# Altium PCB SFYTH_PCB2.PcbDoc (part 2 of 3) (continued)
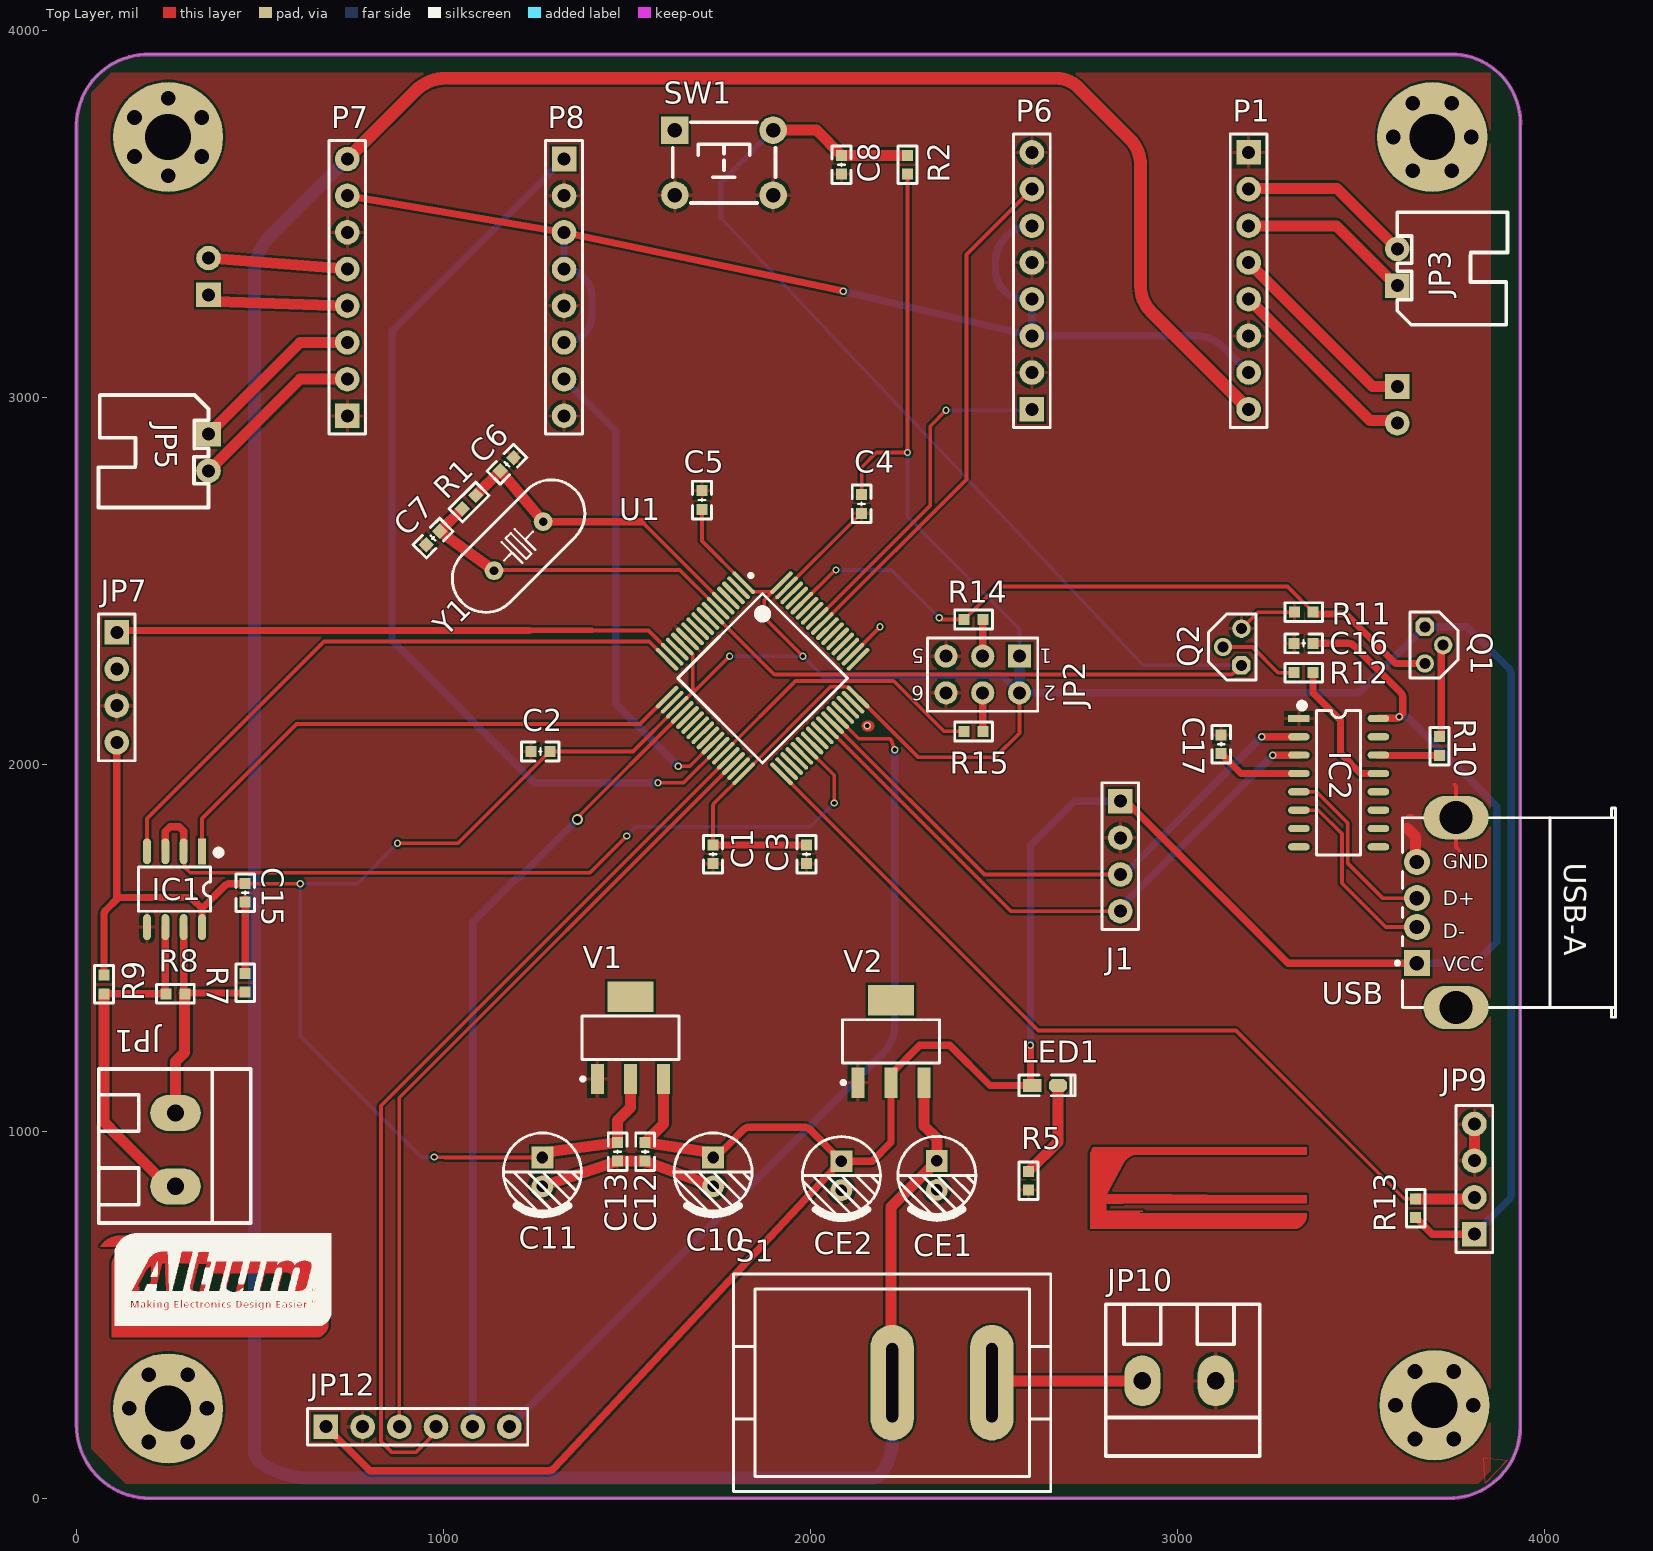
[diagram p0: Top Layer view]
## Nets (pads, with @x,y where several pads share a name; then routed paths per layer and width w, separated by ;. In a path a pad name is that pad's centre, name@x,y a point inside that pad or via, vN(x,y) a via of type N, cw(c..) or ccw(c..) an arc to the next point about the centre after c; other vN are vias at no path point) (continued)
; 241.5,635 277.5,635 ; 241.5,636 277.5,636 262.5,636 ; 241.5,637 278.5,637 ; 241.5,638 278.5,638 ; 241.5,639 278.5,639 ; 241.5,640 278.5,640 263.5,640 ; 241.5,641 279.5,641 ; 242.5,483 490.5,483 ; 242.5,558 270.5,558 ; 242.5,609 271.5,609 ; 242.5,610 271.5,610 ; 242.5,611 271.5,611 ; 242.5,612 272.5,612 ; 242.5,613 272.5,613 ; 242.5,614 272.5,614 ; 242.5,615 272.5,615 ; 242.5,616 273.5,616 ; 242.5,617 273.5,617 ; 242.5,618 273.5,618 ; 242.5,619 273.5,619 ; 242.5,620 274.5,620 ; 242.5,621 274.5,621 ; 242.5,622 274.5,622 ; 242.5,623 274.5,623 ; 242.5,624 274.5,624 259.5,624 ; 242.5,625 275.5,625 ; 242.5,626 275.5,626 ; 242.5,627 275.5,627 ; 242.5,628 275.5,628 260.5,628 ; 242.5,629 276.5,629 ; 242.5,630 276.5,630 ; 242.5,631 276.5,631 ; 242.5,632 276.5,632 261.5,632 ; 242.5,633 277.5,633 ; 242.5,634 277.5,634 ; 243.5,484 490.5,484 ; 243.5,485 490.5,485 ; 243.5,559 267.5,559 ; 243.5,560 265.5,560 ; 243.5,561 263.5,561 ; 243.5,562 262.5,562 ; 243.5,582 264.5,582 ; 243.5,583 264.5,583 ; 243.5,584 265.5,584 ; 243.5,585 265.5,585 ; 243.5,586 265.5,586 ; 243.5,587 265.5,587 ; 243.5,588 266.5,588 ; 243.5,589 266.5,589 ; 243.5,590 266.5,590 ; 243.5,591 266.5,591 ; 243.5,592 267.5,592 ; 243.5,593 267.5,593 ; 243.5,594 267.5,594 ; 243.5,595 267.5,595 ; 243.5,596 268.5,596 ; 243.5,597 268.5,597 ; 243.5,598 268.5,598 ; 243.5,599 268.5,599 ; 243.5,600 269.5,600 ; 243.5,601 269.5,601 ; 243.5,602 269.5,602 ; 243.5,603 269.5,603 ; 243.5,604 270.5,604 ; 243.5,605 270.5,605 ; 243.5,606 270.5,606 ; 243.5,607 270.5,607 ; 243.5,608 271.5,608 ; 244.5,486 498.5,486 ; 244.5,487 498.5,487 ; 244.5,488 259.5,488 ; 244.5,489 259.5,489 ; 244.5,490 259.5,490 ; 244.5,491 259.5,491 ; 244.5,492 259.5,492 ; 244.5,493 259.5,493 ; 244.5,494 259.5,494 ; 244.5,495 259.5,495 ; 244.5,496 259.5,496 ; 244.5,497 259.5,497 ; 244.5,498 259.5,498 ; 244.5,499 259.5,499 ; 244.5,500 259.5,500 ; 244.5,501 259.5,501 ; 244.5,502 259.5,502 ; 244.5,556 258.5,556 ; 244.5,557 258.5,557 ; 244.5,558 258.5,558 ; 244.5,559 258.5,559 ; 244.5,560 259.5,560 ; 244.5,561 259.5,561 ; 244.5,562 259.5,562 ; 244.5,567 260.5,567 ; 244.5,568 261.5,568 245.5,568 ; 244.5,569 261.5,569 245.5,569 ; 244.5,570 261.5,570 245.5,570 ; 244.5,571 261.5,571 246.5,571 ; 244.5,572 262.5,572 ; 244.5,573 262.5,573 ; 244.5,574 262.5,574 ; 244.5,575 262.5,575 ; 244.5,576 263.5,576 ; 244.5,577 263.5,577 ; 244.5,578 263.5,578 ; 244.5,579 263.5,579 ; 244.5,580 264.5,580 ; 244.5,581 264.5,581 ; 245.5,533 252.5,533 ; 245.5,534 252.5,534 ; 245.5,535 252.5,535 ; 245.5,536 253.5,536 ; 245.5,537 253.5,537 ; 245.5,538 253.5,538 ; 245.5,539 253.5,539 ; 245.5,540 254.5,540 ; 245.5,541 254.5,541 ; 245.5,542 254.5,542 ; 245.5,543 254.5,543 ; 245.5,544 255.5,544 ; 245.5,545 255.5,545 ; 245.5,546 255.5,546 ; 245.5,547 255.5,547 ; 245.5,548 256.5,548 ; 245.5,549 256.5,549 ; 245.5,550 256.5,550 ; 245.5,551 256.5,551 ; 245.5,552 257.5,552 ; 245.5,553 257.5,553 ; 245.5,554 257.5,554 ; 245.5,555 257.5,555 ; 245.5,567 261.5,567 ; 246.5,572 261.5,572 ; 246.5,573 261.5,573 ; 246.5,574 261.5,574 ; 247.5,575 261.5,575 ; 247.5,576 261.5,576 ; 247.5,577 262.5,577 ; 247.5,578 262.5,578 ; 248.5,518 262.5,518 ; 248.5,522 255.5,522 ; 248.5,579 262.5,579 ; 248.5,580 262.5,580 ; 248.5,581 263.5,581 ; 248.5,582 263.5,582 ; 249.5,517 262.5,517 ; 249.5,523 254.5,523 ; 249.5,524 254.5,524 ; 249.5,583 263.5,583 ; 249.5,584 263.5,584 ; 249.5,585 264.5,585 ; 249.5,586 264.5,586 ; 250.5,516 256.5,516 ; 250.5,587 264.5,587 ; 250.5,588 264.5,588 ; 250.5,589 265.5,589 ; 250.5,590 265.5,590 ; 251.5,591 265.5,591 ; 251.5,592 265.5,592 ; 251.5,593 266.5,593 ; 251.5,594 266.5,594 ; 252.5,595 266.5,595 ; 252.5,596 266.5,596 ; 252.5,597 267.5,597 ; 252.5,598 267.5,598 ; 253.5,599 267.5,599 ; 253.5,600 267.5,600 ; 253.5,601 268.5,601 ; 253.5,602 268.5,602 ; 254.5,603 268.5,603 ; 254.5,604 268.5,604 ; 254.5,605 269.5,605 ; 254.5,606 269.5,606 ; 255.5,527 266.5,527 ; 255.5,607 269.5,607 ; 255.5,608 269.5,608 ; 255.5,609 270.5,609 ; 255.5,610 270.5,610 ; 256.5,526 264.5,526 ; 256.5,611 270.5,611 ; 256.5,612 271.5,612 ; 256.5,613 271.5,613 ; 256.5,614 271.5,614 ; 257.5,513 266.5,513 ; 257.5,514 264.5,514 ; 257.5,515 263.5,515 ; 257.5,516 263.5,516 ; 257.5,525 263.5,525 ; 257.5,615 271.5,615 ; 257.5,616 272.5,616 ; 257.5,617 272.5,617 ; 257.5,618 272.5,618 ; 258.5,519 262.5,519 ; 258.5,520 262.5,520 ; 258.5,521 262.5,521 ; 258.5,522 262.5,522 ; 258.5,523 262.5,523 ; 258.5,524 263.5,524 ; 258.5,619 272.5,619 ; 258.5,620 273.5,620 ; 258.5,621 273.5,621 ; 258.5,622 273.5,622 ; 259.5,563 244.5,563 262.5,563 ; 259.5,623 273.5,623 ; 259.5,625 274.5,625 ; 259.5,626 274.5,626 ; 260.5,564 244.5,564 261.5,564 ; 260.5,565 244.5,565 261.5,565 ; 260.5,566 244.5,566 261.5,566 ; 260.5,627 274.5,627 ; 260.5,629 275.5,629 ; 260.5,630 275.5,630 ; 261.5,631 275.5,631 ; 261.5,633 276.5,633 ; 261.5,634 276.5,634 ; 262.5,635 276.5,635 ; 262.5,637 277.5,637 ; 263.5,491 276.5,491 ; 263.5,492 276.5,492 ; 263.5,493 276.5,493 ; 263.5,494 276.5,494 ; 263.5,495 276.5,495 ; 263.5,496 276.5,496 ; 263.5,500 276.5,500 ; 263.5,501 276.5,501 ; 263.5,502 276.5,502 ; 263.5,503 276.5,503 ; 263.5,504 276.5,504 ; 263.5,638 277.5,638 ; 263.5,639 277.5,639 ; 263.5,641 278.5,641 ; 264.5,642 278.5,642 ; 264.5,643 278.5,643 ; 264.5,644 279.5,644 ; 264.5,645 279.5,645 ; 265.5,646 279.5,646 ; 265.5,647 279.5,647 ; 265.5,648 280.5,648 ; 265.5,649 280.5,649 ; 266.5,518 278.5,518 ; 266.5,519 278.5,519 ; 266.5,520 278.5,520 ; 266.5,521 278.5,521 ; 266.5,522 278.5,522 ; 266.5,650 280.5,650 ; 266.5,651 280.5,651 ; 266.5,652 281.5,652 ; 266.5,653 281.5,653 ; 267.5,517 278.5,517 ; 267.5,523 278.5,523 ; 267.5,654 281.5,654 ; 267.5,655 281.5,655 ; 267.5,656 282.5,656 ; 267.5,657 282.5,657 ; 268.5,516 278.5,516 ; 268.5,524 278.5,524 ; 268.5,658 282.5,658 ; 268.5,659 282.5,659 ; 268.5,660 283.5,660 ; 268.5,661 283.5,661 ; 269.5,662 283.5,662 ; 269.5,663 283.5,663 ; 269.5,664 284.5,664 ; 269.5,665 284.5,665 ; 270.5,497 276.5,497 ; 270.5,498 276.5,498 ; 270.5,499 276.5,499 ; 270.5,666 646.5,666 ; 271.5,488 276.5,488 ; 271.5,489 276.5,489 ; 271.5,490 276.5,490 ; 271.5,505 276.5,505 ; 271.5,506 276.5,506 ; 271.5,507 276.5,507 ; 273.5,513 280.5,513 ; 273.5,514 279.5,514 ; 273.5,515 278.5,515 ; 273.5,525 275.5,525 ; 273.5,526 275.5,526 ; 273.5,527 275.5,527 ; 280.5,488 289.5,488 ; 280.5,489 287.5,489 ; 280.5,490 286.5,490 ; 280.5,491 285.5,491 ; 280.5,492 285.5,492 ; 280.5,493 285.5,493 ; 280.5,494 285.5,494 ; 280.5,495 285.5,495 ; 280.5,496 285.5,496 ; 280.5,497 285.5,497 ; 280.5,498 285.5,498 ; 280.5,499 285.5,499 ; 280.5,500 286.5,500 ; 280.5,501 287.5,501 ; 280.5,502 288.5,502 ; 280.5,503 318.5,503 ; 280.5,504 318.5,504 ; 280.5,505 318.5,505 ; 280.5,506 320.5,506 ; 280.5,507 379.5,507 ; 280.5,508 379.5,508 ; 280.5,509 627.5,509 ; 282.5,517 290.5,517 ; 282.5,518 290.5,518 ; 282.5,519 290.5,519 ; 282.5,520 290.5,520 ; 282.5,521 290.5,521 ; 282.5,522 290.5,522 ; 282.5,523 290.5,523 ; 282.5,524 290.5,524 ; 282.5,528 387.5,528 ; 282.5,529 387.5,529 ; 282.5,530 387.5,530 ; 282.5,531 339.5,531 ; 282.5,533 310.5,533 ; 283.5,516 290.5,516 ; 283.5,534 307.5,534 ; 283.5,535 305.5,535 ; 283.5,536 303.5,536 ; 283.5,537 302.5,537 ; 284.5,538 302.5,538 ; 284.5,539 301.5,539 ; 284.5,540 301.5,540 ; 284.5,541 301.5,541 ; 285.5,525 290.5,525 ; 285.5,526 290.5,526 ; 285.5,527 290.5,527 ; 285.5,542 301.5,542 ; 285.5,543 301.5,543 ; 285.5,544 301.5,544 ; 285.5,545 301.5,545 ; 286.5,513 290.5,513 ; 286.5,514 290.5,514 ; 286.5,515 290.5,515 ; 286.5,546 301.5,546 ; 286.5,547 301.5,547 ; 286.5,548 301.5,548 ; 286.5,549 301.5,549 ; 287.5,550 301.5,550 ; 287.5,551 301.5,551 ; 287.5,552 302.5,552 ; 287.5,553 302.5,553 ; 288.5,493 302.5,493 ; 288.5,497 295.5,497 ; 288.5,554 302.5,554 ; 288.5,555 302.5,555 ; 288.5,556 303.5,556 ; 288.5,557 303.5,557 ; 289.5,492 302.5,492 ; 289.5,498 294.5,498 ; 289.5,499 294.5,499 ; 289.5,558 303.5,558 ; 289.5,559 303.5,559 ; 289.5,560 304.5,560 ; 289.5,561 304.5,561 ; 290.5,491 296.5,491 ; 290.5,562 304.5,562 ; 290.5,563 304.5,563 ; 290.5,564 305.5,564 ; 290.5,565 305.5,565 ; 291.5,557 370.5,557 ; 291.5,566 305.5,566 ; 291.5,567 305.5,567 ; 291.5,568 306.5,568 ; 291.5,569 306.5,569 ; 292.5,570 306.5,570 ; 292.5,571 306.5,571 ; 292.5,572 307.5,572 ; 292.5,573 307.5,573 ; 293.5,513 305.5,513 ; 293.5,514 303.5,514 ; 293.5,515 302.5,515 ; 293.5,516 301.5,516 ; 293.5,517 301.5,517 ; 293.5,518 301.5,518 ; 293.5,519 301.5,519 ; 293.5,526 294.5,526 ; 293.5,527 295.5,527 ; 293.5,574 307.5,574 ; 293.5,575 307.5,575 ; 293.5,576 308.5,576 ; 293.5,577 308.5,577 ; 293.5,580 317.5,580 ; 294.5,520 301.5,520 ; 294.5,521 301.5,521 ; 294.5,522 301.5,522 ; 294.5,523 301.5,523 ; 294.5,580 309.5,580 ; 294.5,582 318.5,582 ; 294.5,583 318.5,583 ; 294.5,584 318.5,584 ; 294.5,585 318.5,585 ; 295.5,502 306.5,502 ; 295.5,577 316.5,577 ; 295.5,582 309.5,582 ; 295.5,583 309.5,583 ; 295.5,584 310.5,584 ; 295.5,585 310.5,585 ; 295.5,586 319.5,586 ; 295.5,587 319.5,587 ; 295.5,588 319.5,588 ; 295.5,589 319.5,589 ; 296.5,501 304.5,501 ; 296.5,586 310.5,586 ; 296.5,587 311.5,587 ; 296.5,588 311.5,588 ; 296.5,589 311.5,589 ; 296.5,590 320.5,590 ; 296.5,591 320.5,591 ; 296.5,592 320.5,592 ; 296.5,593 320.5,593 ; 297.5,488 306.5,488 ; 297.5,489 304.5,489 ; 297.5,490 303.5,490 ; 297.5,491 303.5,491 ; 297.5,500 303.5,500 ; 297.5,590 311.5,590 ; 297.5,591 312.5,591 ; 297.5,592 312.5,592 ; 297.5,593 312.5,593 ; 297.5,594 321.5,594 ; 297.5,595 321.5,595 ; 297.5,596 321.5,596 ; 297.5,597 321.5,597 ; 298.5,494 302.5,494 ; 298.5,495 302.5,495 ; 298.5,496 302.5,496 ; 298.5,497 302.5,497 ; 298.5,498 302.5,498 ; 298.5,499 303.5,499 ; 298.5,524 301.5,524 ; 298.5,525 302.5,525 ; 298.5,526 303.5,526 ; 298.5,527 305.5,527 ; 298.5,594 312.5,594 ; 298.5,595 313.5,595 ; 298.5,596 313.5,596 ; 298.5,597 313.5,597 ; 298.5,598 322.5,598 ; 298.5,599 322.5,599 ; 298.5,600 322.5,600 ; 298.5,601 322.5,601 ; 299.5,598 313.5,598 ; 299.5,599 314.5,599 ; 299.5,600 314.5,600 ; 299.5,601 314.5,601 ; 299.5,602 323.5,602 ; 299.5,603 323.5,603 ; 299.5,604 323.5,604 ; 299.5,605 323.5,605 ; 300.5,558 312.5,558 ; 300.5,602 314.5,602 ; 300.5,603 315.5,603 ; 300.5,604 315.5,604 ; 300.5,605 315.5,605 ; 300.5,606 324.5,606 ; 300.5,607 324.5,607 ; 300.5,608 324.5,608 ; 300.5,609 324.5,609 ; 301.5,559 312.5,559 ; 301.5,560 312.5,560 ; 301.5,561 312.5,561 ; 301.5,562 313.5,562 ; 301.5,606 315.5,606 ; 301.5,607 316.5,607 ; 301.5,608 316.5,608 ; 301.5,609 316.5,609 ; 301.5,610 325.5,610 ; 301.5,611 325.5,611 ; 301.5,612 325.5,612 ; 301.5,613 325.5,613 ; 302.5,563 313.5,563 ; 302.5,564 313.5,564 ; 302.5,565 313.5,565 ; 302.5,566 314.5,566 ; 302.5,610 316.5,610 ; 302.5,611 317.5,611 ; 302.5,612 317.5,612 ; 302.5,614 326.5,614 ; 302.5,615 326.5,615 ; 302.5,616 326.5,616 ; 302.5,617 326.5,617 ; 303.5,567 314.5,567 ; 303.5,568 314.5,568 ; 303.5,569 314.5,569 ; 303.5,570 315.5,570 ; 303.5,613 317.5,613 ; 303.5,614 317.5,614 ; 303.5,615 318.5,615 ; 303.5,616 318.5,616 ; 303.5,618 327.5,618 ; 303.5,619 327.5,619 ; 303.5,620 327.5,620 ; 303.5,621 327.5,621 ; 304.5,571 315.5,571 ; 304.5,572 315.5,572 ; 304.5,573 315.5,573 ; 304.5,574 316.5,574 ; 304.5,617 318.5,617 ; 304.5,618 318.5,618 ; 304.5,619 319.5,619 ; 304.5,620 319.5,620 ; 305.5,517 311.5,517 ; 305.5,518 312.5,518 ; 305.5,519 312.5,519 ; 305.5,520 312.5,520 ; 305.5,521 312.5,521 ; 305.5,522 312.5,522 ; 305.5,523 311.5,523 ; 305.5,575 316.5,575 ; 305.5,576 316.5,576 ; 305.5,621 319.5,621 ; 305.5,622 319.5,622 ; 305.5,623 320.5,623 ; 305.5,624 320.5,624 ; 306.5,493 318.5,493 ; 306.5,494 318.5,494 ; 306.5,495 318.5,495 ; 306.5,496 318.5,496 ; 306.5,497 318.5,497 ; 306.5,516 310.5,516 ; 306.5,524 310.5,524 ; 306.5,625 320.5,625 ; 306.5,626 320.5,626 ; 306.5,627 321.5,627 ; 306.5,628 321.5,628 ; 307.5,492 318.5,492 ; 307.5,498 318.5,498 ; 307.5,629 321.5,629 ; 307.5,630 321.5,630 ; 307.5,631 322.5,631 ; 307.5,632 322.5,632 ; 308.5,491 318.5,491 ; 308.5,499 318.5,499 ; 308.5,578 294.5,578 317.5,578 ; 308.5,579 294.5,579 317.5,579 ; 308.5,633 322.5,633 ; 308.5,634 322.5,634 ; 308.5,635 323.5,635 ; 308.5,636 323.5,636 ; 308.5,641 515.5,641 ; 309.5,581 294.5,581 317.5,581 ; 309.5,637 323.5,637 ; 309.5,638 323.5,638 ; 309.5,639 324.5,639 ; 309.5,640 324.5,640 ; 309.5,642 521.5,642 ; 309.5,643 646.5,643 ; 309.5,644 646.5,644 ; 309.5,645 646.5,645 ; 310.5,641 686.5,641 ; 310.5,646 646.5,646 ; 310.5,647 646.5,647 ; 310.5,648 646.5,648 ; 310.5,649 646.5,649 ; 311.5,650 646.5,650 ; 311.5,651 646.5,651 ; 311.5,652 646.5,652 ; 312.5,513 320.5,513 ; 312.5,527 320.5,527 ; 312.5,653 646.5,653 ; 312.5,654 646.5,654 ; 312.5,655 646.5,655 ; 312.5,656 646.5,656 ; 313.5,488 320.5,488 ; 313.5,489 319.5,489 ; 313.5,490 318.5,490 ; 313.5,500 315.5,500 ; 313.5,501 315.5,501 ; 313.5,502 315.5,502 ; 313.5,657 646.5,657 ; 313.5,658 646.5,658 ; 313.5,659 646.5,659 ; 313.5,660 646.5,660 ; 314.5,514 320.5,514 ; 314.5,515 320.5,515 ; 314.5,525 320.5,525 ; 314.5,526 320.5,526 ; 314.5,661 646.5,661 ; 314.5,662 646.5,662 ; 314.5,663 646.5,663 ; 314.5,664 646.5,664 ; 315.5,516 320.5,516 ; 315.5,524 320.5,524 ; 315.5,665 646.5,665 ; 316.5,517 320.5,517 ; 316.5,518 320.5,518 ; 316.5,519 320.5,519 ; 316.5,520 320.5,520 ; 316.5,521 320.5,521 ; 316.5,522 320.5,522 ; 316.5,523 320.5,523 ; 316.5,622 328.5,622 ; 317.5,623 328.5,623 ; 317.5,624 328.5,624 ; 317.5,625 328.5,625 ; 317.5,626 329.5,626 ; 318.5,627 329.5,627 ; 318.5,628 329.5,628 ; 318.5,629 329.5,629 ; 318.5,630 330.5,630 ; 319.5,631 330.5,631 ; 319.5,632 330.5,632 ; 319.5,633 330.5,633 ; 319.5,634 331.5,634 ; 320.5,635 331.5,635 ; 320.5,636 331.5,636 ; 320.5,637 331.5,637 ; 320.5,638 332.5,638 ; 321.5,639 332.5,639 ; 321.5,640 512.5,640 ; 322.5,492 330.5,492 ; 322.5,493 330.5,493 ; 322.5,494 330.5,494 ; 322.5,495 330.5,495 ; 322.5,496 330.5,496 ; 322.5,497 330.5,497 ; 322.5,498 330.5,498 ; 322.5,499 330.5,499 ; 322.5,503 427.5,503 ; 322.5,504 427.5,504 ; 322.5,505 427.5,505 ; 322.5,506 379.5,506 ; 323.5,491 330.5,491 ; 324.5,513 330.5,513 ; 324.5,514 330.5,514 ; 324.5,515 330.5,515 ; 324.5,516 330.5,516 ; 324.5,517 330.5,517 ; 324.5,518 330.5,518 ; 324.5,519 330.5,519 ; 324.5,520 330.5,520 ; 324.5,521 330.5,521 ; 324.5,527 326.5,527 ; 325.5,500 330.5,500 ; 325.5,501 330.5,501 ; 325.5,502 330.5,502 ; 325.5,522 330.5,522 ; 325.5,523 330.5,523 ; 326.5,488 330.5,488 ; 326.5,489 330.5,489 ; 326.5,490 330.5,490 ; 326.5,524 329.5,524 ; 331.5,532 410.5,532 ; 332.5,527 339.5,527 ; 333.5,488 345.5,488 ; 333.5,489 343.5,489 ; 333.5,490 342.5,490 ; 333.5,491 341.5,491 ; 333.5,492 341.5,492 ; 333.5,493 341.5,493 ; 333.5,494 341.5,494 ; 333.5,501 334.5,501 ; 333.5,502 335.5,502 ; 333.5,525 339.5,525 ; 333.5,526 339.5,526 ; 333.5,555 357.5,555 ; 334.5,495 341.5,495 ; 334.5,496 341.5,496 ; 334.5,497 341.5,497 ; 334.5,498 341.5,498 ; 334.5,513 339.5,513 ; 334.5,514 339.5,514 ; 334.5,515 339.5,515 ; 334.5,516 339.5,516 ; 334.5,517 339.5,517 ; 334.5,518 339.5,518 ; 334.5,519 339.5,519 ; 334.5,520 339.5,520 ; 334.5,521 339.5,521 ; 334.5,522 339.5,522 ; 334.5,523 339.5,523 ; 334.5,524 339.5,524 ; 334.5,553 357.5,553 ; 334.5,554 357.5,554 ; 334.5,556 357.5,556 ; 334.5,557 358.5,557 ; 334.5,558 358.5,558 ; 334.5,559 358.5,559 ; 334.5,560 358.5,560 ; 335.5,552 356.5,552 ; 335.5,561 359.5,561 ; 335.5,562 359.5,562 ; 335.5,563 359.5,563 ; 335.5,564 359.5,564 ; 336.5,565 360.5,565 ; 336.5,566 360.5,566 ; 336.5,567 360.5,567 345.5,567 ; 336.5,568 360.5,568 345.5,568 ; 337.5,569 361.5,569 ; 337.5,570 361.5,570 ; 337.5,571 361.5,571 ; 337.5,572 361.5,572 ; 338.5,499 341.5,499 ; 338.5,500 342.5,500 ; 338.5,501 343.5,501 ; 338.5,502 345.5,502 ; 338.5,573 362.5,573 ; 338.5,574 362.5,574 ; 338.5,575 362.5,575 ; 338.5,576 362.5,576 ; 339.5,577 363.5,577 ; 339.5,578 363.5,578 ; 339.5,579 363.5,579 ; 339.5,580 363.5,580 ; 340.5,533 352.5,533 ; 340.5,581 364.5,581 ; 340.5,582 364.5,582 ; 340.5,583 364.5,583 ; 340.5,584 364.5,584 ; 341.5,534 352.5,534 ; 341.5,535 352.5,535 ; 341.5,536 352.5,536 ; 341.5,537 353.5,537 ; 341.5,585 365.5,585 ; 341.5,586 365.5,586 ; 341.5,587 365.5,587 ; 341.5,588 365.5,588 ; 342.5,538 353.5,538 ; 342.5,539 353.5,539 ; 342.5,540 353.5,540 ; 342.5,541 354.5,541 ; 342.5,558 368.5,558 ; 342.5,589 366.5,589 ; 342.5,590 366.5,590 ; 342.5,591 366.5,591 ; 342.5,592 366.5,592 ; 343.5,513 352.5,513 ; 343.5,514 350.5,514 ; 343.5,515 349.5,515 ; 343.5,516 348.5,516 ; 343.5,517 348.5,517 ; 343.5,518 348.5,518 ; 343.5,519 348.5,519 ; 343.5,520 348.5,520 ; 343.5,521 348.5,521 ; 343.5,522 348.5,522 ; 343.5,523 348.5,523 ; 343.5,524 348.5,524 ; 343.5,525 349.5,525 ; 343.5,526 350.5,526 ; 343.5,527 351.5,527 ; 343.5,531 387.5,531 ; 343.5,532 387.5,532 ; 343.5,533 440.5,533 ; 343.5,542 354.5,542 ; 343.5,543 354.5,543 ; 343.5,544 354.5,544 ; 343.5,545 355.5,545 ; 343.5,559 366.5,559 ; 343.5,560 364.5,560 ; 343.5,561 363.5,561 ; 343.5,562 362.5,562 ; 343.5,593 367.5,593 ; 343.5,594 367.5,594 ; 343.5,595 367.5,595 ; 343.5,596 367.5,596 ; 344.5,546 355.5,546 ; 344.5,547 355.5,547 ; 344.5,548 355.5,548 ; 344.5,549 356.5,549 ; 344.5,563 362.5,563 ; 344.5,564 361.5,564 ; 344.5,565 361.5,565 ; 344.5,566 361.5,566 ; 345.5,492 351.5,492 ; 345.5,493 352.5,493 ; 345.5,494 352.5,494 ; 345.5,495 352.5,495 ; 345.5,496 352.5,496 ; 345.5,497 352.5,497 ; 345.5,498 351.5,498 ; 345.5,550 356.5,550 ; 345.5,551 356.5,551 ; 345.5,569 360.5,569 ; 345.5,570 360.5,570 ; 346.5,491 350.5,491 ; 346.5,499 350.5,499 ; 346.5,571 360.5,571 ; 346.5,572 360.5,572 ; 346.5,573 360.5,573 ; 346.5,574 360.5,574 ; 347.5,575 360.5,575 ; 347.5,576 361.5,576 ; 347.5,577 361.5,577 ; 347.5,578 361.5,578 ; 348.5,579 361.5,579 ; 348.5,580 362.5,580 ; 348.5,581 362.5,581 ; 348.5,582 362.5,582 ; 348.5,616 555.5,616 ; 349.5,583 362.5,583 ; 349.5,584 363.5,584 ; 349.5,585 363.5,585 ; 349.5,586 363.5,586 ; 349.5,617 561.5,617 ; 349.5,618 686.5,618 ; 349.5,619 686.5,619 ; 349.5,620 686.5,620 ; 350.5,587 363.5,587 ; 350.5,588 364.5,588 ; 350.5,589 364.5,589 ; 350.5,590 364.5,590 ; 350.5,621 686.5,621 ; 350.5,622 686.5,622 ; 350.5,623 686.5,623 ; 350.5,624 686.5,624 ; 351.5,591 364.5,591 ; 351.5,592 365.5,592 ; 351.5,593 365.5,593 ; 351.5,594 365.5,594 ; 351.5,625 686.5,625 ; 351.5,626 686.5,626 ; 351.5,627 686.5,627 ; 352.5,488 360.5,488 ; 352.5,502 360.5,502 ; 352.5,518 368.5,518 ; 352.5,519 365.5,519 ; 352.5,520 363.5,520 ; 352.5,521 362.5,521 ; 352.5,522 362.5,522 ; 352.5,595 365.5,595 ; 352.5,596 366.5,596 ; 352.5,597 366.5,597 ; 352.5,598 366.5,598 ; 352.5,628 686.5,628 ; 352.5,629 686.5,629 ; 352.5,630 686.5,630 ; 352.5,631 686.5,631 ; 353.5,517 368.5,517 ; 353.5,523 362.5,523 ; 353.5,524 362.5,524 ; 353.5,599 366.5,599 ; 353.5,600 367.5,600 ; 353.5,601 367.5,601 ; 353.5,602 367.5,602 ; 353.5,632 686.5,632 ; 353.5,633 686.5,633 ; 353.5,634 686.5,634 ; 353.5,635 686.5,635 ; 354.5,489 360.5,489 ; 354.5,490 360.5,490 ; 354.5,500 360.5,500 ; 354.5,501 360.5,501 ; 354.5,516 368.5,516 ; 354.5,603 367.5,603 ; 354.5,604 368.5,604 ; 354.5,605 368.5,605 ; 354.5,606 368.5,606 ; 354.5,636 686.5,636 ; 354.5,637 686.5,637 ; 354.5,638 686.5,638 ; 354.5,639 686.5,639 ; 355.5,491 360.5,491 ; 355.5,499 360.5,499 ; 355.5,607 368.5,607 ; 355.5,608 369.5,608 ; 355.5,609 369.5,609 ; 355.5,610 369.5,610 ; 355.5,640 686.5,640 ; 356.5,492 360.5,492 ; 356.5,493 360.5,493 ; 356.5,494 360.5,494 ; 356.5,495 360.5,495 ; 356.5,496 360.5,496 ; 356.5,497 360.5,497 ; 356.5,498 360.5,498 ; 356.5,597 368.5,597 ; 356.5,611 369.5,611 ; 356.5,612 370.5,612 ; 356.5,613 370.5,613 ; 356.5,614 370.5,614 ; 357.5,598 368.5,598 ; 357.5,599 368.5,599 ; 357.5,600 368.5,600 ; 357.5,601 369.5,601 ; 357.5,615 370.5,615 ; 357.5,616 371.5,616 ; 357.5,617 371.5,617 ; 357.5,618 371.5,618 ; 358.5,525 362.5,525 ; 358.5,526 363.5,526 ; 358.5,602 369.5,602 ; 358.5,603 369.5,603 ; 358.5,604 369.5,604 ; 358.5,605 370.5,605 ; 358.5,619 371.5,619 ; 358.5,620 372.5,620 ; 358.5,621 372.5,621 ; 358.5,622 372.5,622 ; 359.5,513 362.5,513 ; 359.5,514 362.5,514 ; 359.5,515 362.5,515 ; 359.5,527 364.5,527 ; 359.5,606 370.5,606 ; 359.5,607 370.5,607 ; 359.5,608 370.5,608 ; 359.5,609 371.5,609 ; 359.5,623 372.5,623 ; 359.5,624 373.5,624 ; 359.5,625 373.5,625 ; 359.5,626 373.5,626 ; 360.5,610 371.5,610 ; 360.5,611 371.5,611 ; 360.5,612 371.5,612 ; 360.5,613 372.5,613 ; 360.5,627 373.5,627 ; 360.5,628 374.5,628 ; 360.5,629 374.5,629 ; 360.5,630 374.5,630 ; 361.5,614 372.5,614 ; 361.5,615 552.5,615 ; 361.5,631 374.5,631 ; 361.5,632 375.5,632 ; 361.5,633 375.5,633 ; 361.5,634 375.5,634 ; 362.5,635 375.5,635 ; 362.5,636 376.5,636 ; 362.5,637 376.5,637 ; 362.5,638 376.5,638 ; 363.5,639 376.5,639 ; 364.5,488 370.5,488 ; 364.5,489 370.5,489 ; 364.5,490 370.5,490 ; 364.5,491 370.5,491 ; 364.5,492 370.5,492 ; 364.5,493 370.5,493 ; 364.5,494 370.5,494 ; 364.5,495 370.5,495 ; 364.5,496 370.5,496 ; 364.5,502 366.5,502 ; 365.5,497 370.5,497 ; 365.5,498 370.5,498 ; 366.5,499 369.5,499 ; 366.5,523 387.5,523 ; 366.5,524 387.5,524 ; 367.5,522 387.5,522 ; 370.5,513 387.5,513 ; 370.5,521 387.5,521 ; 371.5,514 387.5,514 ; 372.5,502 379.5,502 ; 372.5,515 387.5,515 ; 372.5,516 387.5,516 ; 372.5,517 387.5,517 ; 372.5,518 387.5,518 ; 372.5,519 387.5,519 ; 372.5,520 387.5,520 ; 372.5,525 387.5,525 ; 372.5,526 387.5,526 ; 372.5,527 387.5,527 ; 373.5,500 379.5,500 ; 373.5,501 379.5,501 ; 374.5,488 379.5,488 ; 374.5,489 379.5,489 ; 374.5,490 379.5,490 ; 374.5,491 379.5,491 ; 374.5,492 379.5,492 ; 374.5,493 379.5,493 ; 374.5,494 379.5,494 ; 374.5,495 379.5,495 ; 374.5,496 379.5,496 ; 374.5,497 379.5,497 ; 374.5,498 379.5,498 ; 374.5,499 379.5,499 ; 382.5,533 408.5,533 ; 383.5,488 392.5,488 ; 383.5,489 390.5,489 ; 383.5,490 389.5,490 ; 383.5,491 388.5,491 ; 383.5,492 388.5,492 ; 383.5,493 388.5,493 ; 383.5,494 388.5,494 ; 383.5,495 388.5,495 ; 383.5,496 388.5,496 ; 383.5,497 388.5,497 ; 383.5,498 388.5,498 ; 383.5,499 388.5,499 ; 383.5,500 389.5,500 ; 383.5,501 390.5,501 ; 383.5,502 391.5,502 ; 383.5,506 427.5,506 ; 383.5,507 427.5,507 ; 383.5,508 480.5,508 ; 383.5,534 406.5,534 ; 383.5,535 404.5,535 ; 383.5,536 403.5,536 ; 383.5,537 402.5,537 ; 384.5,538 402.5,538 ; 384.5,539 401.5,539 ; 384.5,540 401.5,540 ; 384.5,541 401.5,541 ; 385.5,542 400.5,542 ; 385.5,543 400.5,543 ; 385.5,544 400.5,544 ; 385.5,545 400.5,545 ; 386.5,546 400.5,546 ; 386.5,547 400.5,547 ; 386.5,548 400.5,548 ; 386.5,549 400.5,549 ; 386.5,556 646.5,556 ; 387.5,550 400.5,550 ; 387.5,551 401.5,551 ; 387.5,552 401.5,552 ; 387.5,553 401.5,553 ; 388.5,554 401.5,554 ; 388.5,555 402.5,555 ; 388.5,556 402.5,556 ; 388.5,557 402.5,557 ; 389.5,558 402.5,558 ; 389.5,559 403.5,559 ; 389.5,560 403.5,560 ; 389.5,561 403.5,561 ; 390.5,562 403.5,562 ; 390.5,563 404.5,563 ; 390.5,564 404.5,564 ; 390.5,565 404.5,565 406.5,565 ; 391.5,516 394.5,516 ; 391.5,517 396.5,517 ; 391.5,518 398.5,518 ; 391.5,519 398.5,519 ; 391.5,520 399.5,520 ; 391.5,521 399.5,521 ; 391.5,522 399.5,522 ; 391.5,523 399.5,523 ; 391.5,524 399.5,524 ; 391.5,525 399.5,525 ; 391.5,526 398.5,526 ; 391.5,527 398.5,527 ; 391.5,528 397.5,528 ; 391.5,529 395.5,529 ; 391.5,557 646.5,557 ; 391.5,566 404.5,566 ; 391.5,567 405.5,567 ; 391.5,568 405.5,568 ; 391.5,569 405.5,569 ; 392.5,493 408.5,493 ; 392.5,494 405.5,494 ; 392.5,495 403.5,495 ; 392.5,496 402.5,496 ; 392.5,497 402.5,497 ; 392.5,570 405.5,570 ; 392.5,571 406.5,571 ; 392.5,572 406.5,572 ; 392.5,573 406.5,573 ; 393.5,492 408.5,492 ; 393.5,498 402.5,498 ; 393.5,499 402.5,499 ; 393.5,574 406.5,574 ; 393.5,575 407.5,575 ; 393.5,576 407.5,576 ; 393.5,577 407.5,577 ; 393.5,580 409.5,580 ; 393.5,581 409.5,581 ; 393.5,582 410.5,582 ; 393.5,583 410.5,583 ; 393.5,584 411.5,584 ; 394.5,491 408.5,491 ; 394.5,558 404.5,558 ; 394.5,580 408.5,580 ; 394.5,581 408.5,581 ; 394.5,585 411.5,585 ; 394.5,586 411.5,586 ; 394.5,587 411.5,587 ; 394.5,588 412.5,588 ; 395.5,577 405.5,577 ; 395.5,582 408.5,582 ; 395.5,583 409.5,583 ; 395.5,584 409.5,584 ; 395.5,585 409.5,585 ; 395.5,589 412.5,589 ; 395.5,590 412.5,590 ; 395.5,591 412.5,591 ; 395.5,592 413.5,592 ; 396.5,559 405.5,559 ; 396.5,586 409.5,586 ; 396.5,587 410.5,587 ; 396.5,588 410.5,588 ; 396.5,589 410.5,589 ; 396.5,593 413.5,593 ; 396.5,594 413.5,594 ; 396.5,595 413.5,595 ; 396.5,596 414.5,596 ; 397.5,513 411.5,513 ; 397.5,532 440.5,532 ; 397.5,590 410.5,590 ; 397.5,591 411.5,591 ; 397.5,592 411.5,592 ; 397.5,593 411.5,593 ; 397.5,597 414.5,597 ; 397.5,598 414.5,598 ; 397.5,599 414.5,599 ; 397.5,600 415.5,600 ; 398.5,500 402.5,500 ; 398.5,501 403.5,501 ; 398.5,560 405.5,560 ; 398.5,594 411.5,594 ; 398.5,595 412.5,595 ; 398.5,596 412.5,596 ; 398.5,597 412.5,597 ; 398.5,601 415.5,601 ; 398.5,602 415.5,602 ; 398.5,603 415.5,603 ; 398.5,604 416.5,604 ; 399.5,488 402.5,488 ; 399.5,489 402.5,489 ; 399.5,490 402.5,490 ; 399.5,502 404.5,502 ; 399.5,514 410.5,514 ; 399.5,561 405.5,561 ; 399.5,598 412.5,598 ; 399.5,599 413.5,599 ; 399.5,600 413.5,600 ; 399.5,601 413.5,601 ; 399.5,605 416.5,605 ; 399.5,606 416.5,606 ; 399.5,607 416.5,607 ; 399.5,608 417.5,608 ; 400.5,531 440.5,531 ; 400.5,602 413.5,602 ; 400.5,603 414.5,603 ; 400.5,604 414.5,604 ; 400.5,605 414.5,605 ; 400.5,609 417.5,609 ; 400.5,610 417.5,610 ; 400.5,611 417.5,611 ; 400.5,612 418.5,612 ; 401.5,515 409.5,515 ; 401.5,530 496.5,530 ; 401.5,562 405.5,562 ; 401.5,606 414.5,606 ; 401.5,607 415.5,607 ; 401.5,608 415.5,608 ; 401.5,609 415.5,609 ; 401.5,613 418.5,613 ; 401.5,614 418.5,614 ; 401.5,615 418.5,615 ; 401.5,616 419.5,616 ; 402.5,516 408.5,516 ; 402.5,517 408.5,517 ; 402.5,528 496.5,528 ; 402.5,529 496.5,529 ; 402.5,563 406.5,563 ; 402.5,610 415.5,610 ; 402.5,611 416.5,611 ; 402.5,612 416.5,612 ; 402.5,613 416.5,613 ; 402.5,617 419.5,617 ; 402.5,618 419.5,618 ; 402.5,619 419.5,619 ; 402.5,620 420.5,620 ; 403.5,518 407.5,518 ; 403.5,519 407.5,519 ; 403.5,520 407.5,520 ; 403.5,525 409.5,525 ; 403.5,526 409.5,526 ; 403.5,527 411.5,527 ; 403.5,564 406.5,564 ; 403.5,614 416.5,614 ; 403.5,621 420.5,621 ; 403.5,622 420.5,622 ; 403.5,623 420.5,623 ; 403.5,624 421.5,624 ; 404.5,521 407.5,521 ; 404.5,522 407.5,522 ; 404.5,523 408.5,523 ; 404.5,524 408.5,524 ; 404.5,625 421.5,625 ; 404.5,626 421.5,626 ; 404.5,627 421.5,627 ; 404.5,628 422.5,628 ; 405.5,566 406.5,566 ; 405.5,629 422.5,629 ; 405.5,630 422.5,630 ; 405.5,631 422.5,631 ; 405.5,632 423.5,632 ; 406.5,498 427.5,498 ; 406.5,499 427.5,499 ; 406.5,633 423.5,633 ; 406.5,634 423.5,634 ; 406.5,635 423.5,635 ; 406.5,636 424.5,636 ; 407.5,497 427.5,497 ; 407.5,637 424.5,637 ; 407.5,638 424.5,638 ; 407.5,639 424.5,639 ; 410.5,488 427.5,488 ; 410.5,496 427.5,496 ; 411.5,489 427.5,489 ; 411.5,518 431.5,518 ; 411.5,522 417.5,522 ; 411.5,523 417.5,523 ; 412.5,490 427.5,490 ; 412.5,491 427.5,491 ; 412.5,492 427.5,492 ; 412.5,493 427.5,493 ; 412.5,494 427.5,494 ; 412.5,495 427.5,495 ; 412.5,500 427.5,500 ; 412.5,501 427.5,501 ; 412.5,502 427.5,502 ; 412.5,517 431.5,517 ; 412.5,524 417.5,524 ; 413.5,516 419.5,516 ; 418.5,527 427.5,527 ; 419.5,513 425.5,513 ; 419.5,526 426.5,526 ; 420.5,514 425.5,514 ; 420.5,515 425.5,515 ; 420.5,516 431.5,516 ; 420.5,524 425.5,524 ; 420.5,525 425.5,525 ; 421.5,519 428.5,519 ; 421.5,520 426.5,520 ; 421.5,521 425.5,521 ; 421.5,522 425.5,522 ; 421.5,523 425.5,523 ; 426.5,531 686.5,531 ; 429.5,523 440.5,523 ; 429.5,524 440.5,524 ; 430.5,522 440.5,522 ; 431.5,491 434.5,491 ; 431.5,492 436.5,492 ; 431.5,493 438.5,493 ; 431.5,494 438.5,494 ; 431.5,495 439.5,495 ; 431.5,496 439.5,496 ; 431.5,497 439.5,497 ; 431.5,498 439.5,498 ; 431.5,499 439.5,499 ; 431.5,500 439.5,500 ; 431.5,501 438.5,501 ; 431.5,502 438.5,502 ; 431.5,503 437.5,503 ; 431.5,504 435.5,504 ; 431.5,532 686.5,532 ; 433.5,513 440.5,513 ; 433.5,521 440.5,521 ; 433.5,555 449.5,555 ; 433.5,556 449.5,556 ; 433.5,557 450.5,557 ; 433.5,558 450.5,558 435.5,558 ; 433.5,559 451.5,559 ; 434.5,514 440.5,514 ; 434.5,520 440.5,520 ; 434.5,525 440.5,525 ; 434.5,533 444.5,533 545.5,533 ; 434.5,553 447.5,553 ; 434.5,554 448.5,554 ; 434.5,560 451.5,560 ; 434.5,561 451.5,561 436.5,561 ; 434.5,562 451.5,562 436.5,562 ; 434.5,563 452.5,563 ; 435.5,515 440.5,515 ; 435.5,516 440.5,516 ; 435.5,517 440.5,517 ; 435.5,518 440.5,518 ; 435.5,519 440.5,519 ; 435.5,526 440.5,526 ; 435.5,527 440.5,527 ; 435.5,552 445.5,552 ; 435.5,559 450.5,559 ; 435.5,560 450.5,560 ; 435.5,564 452.5,564